# KiCad board pcb-panel.kicad_pcb (continued)
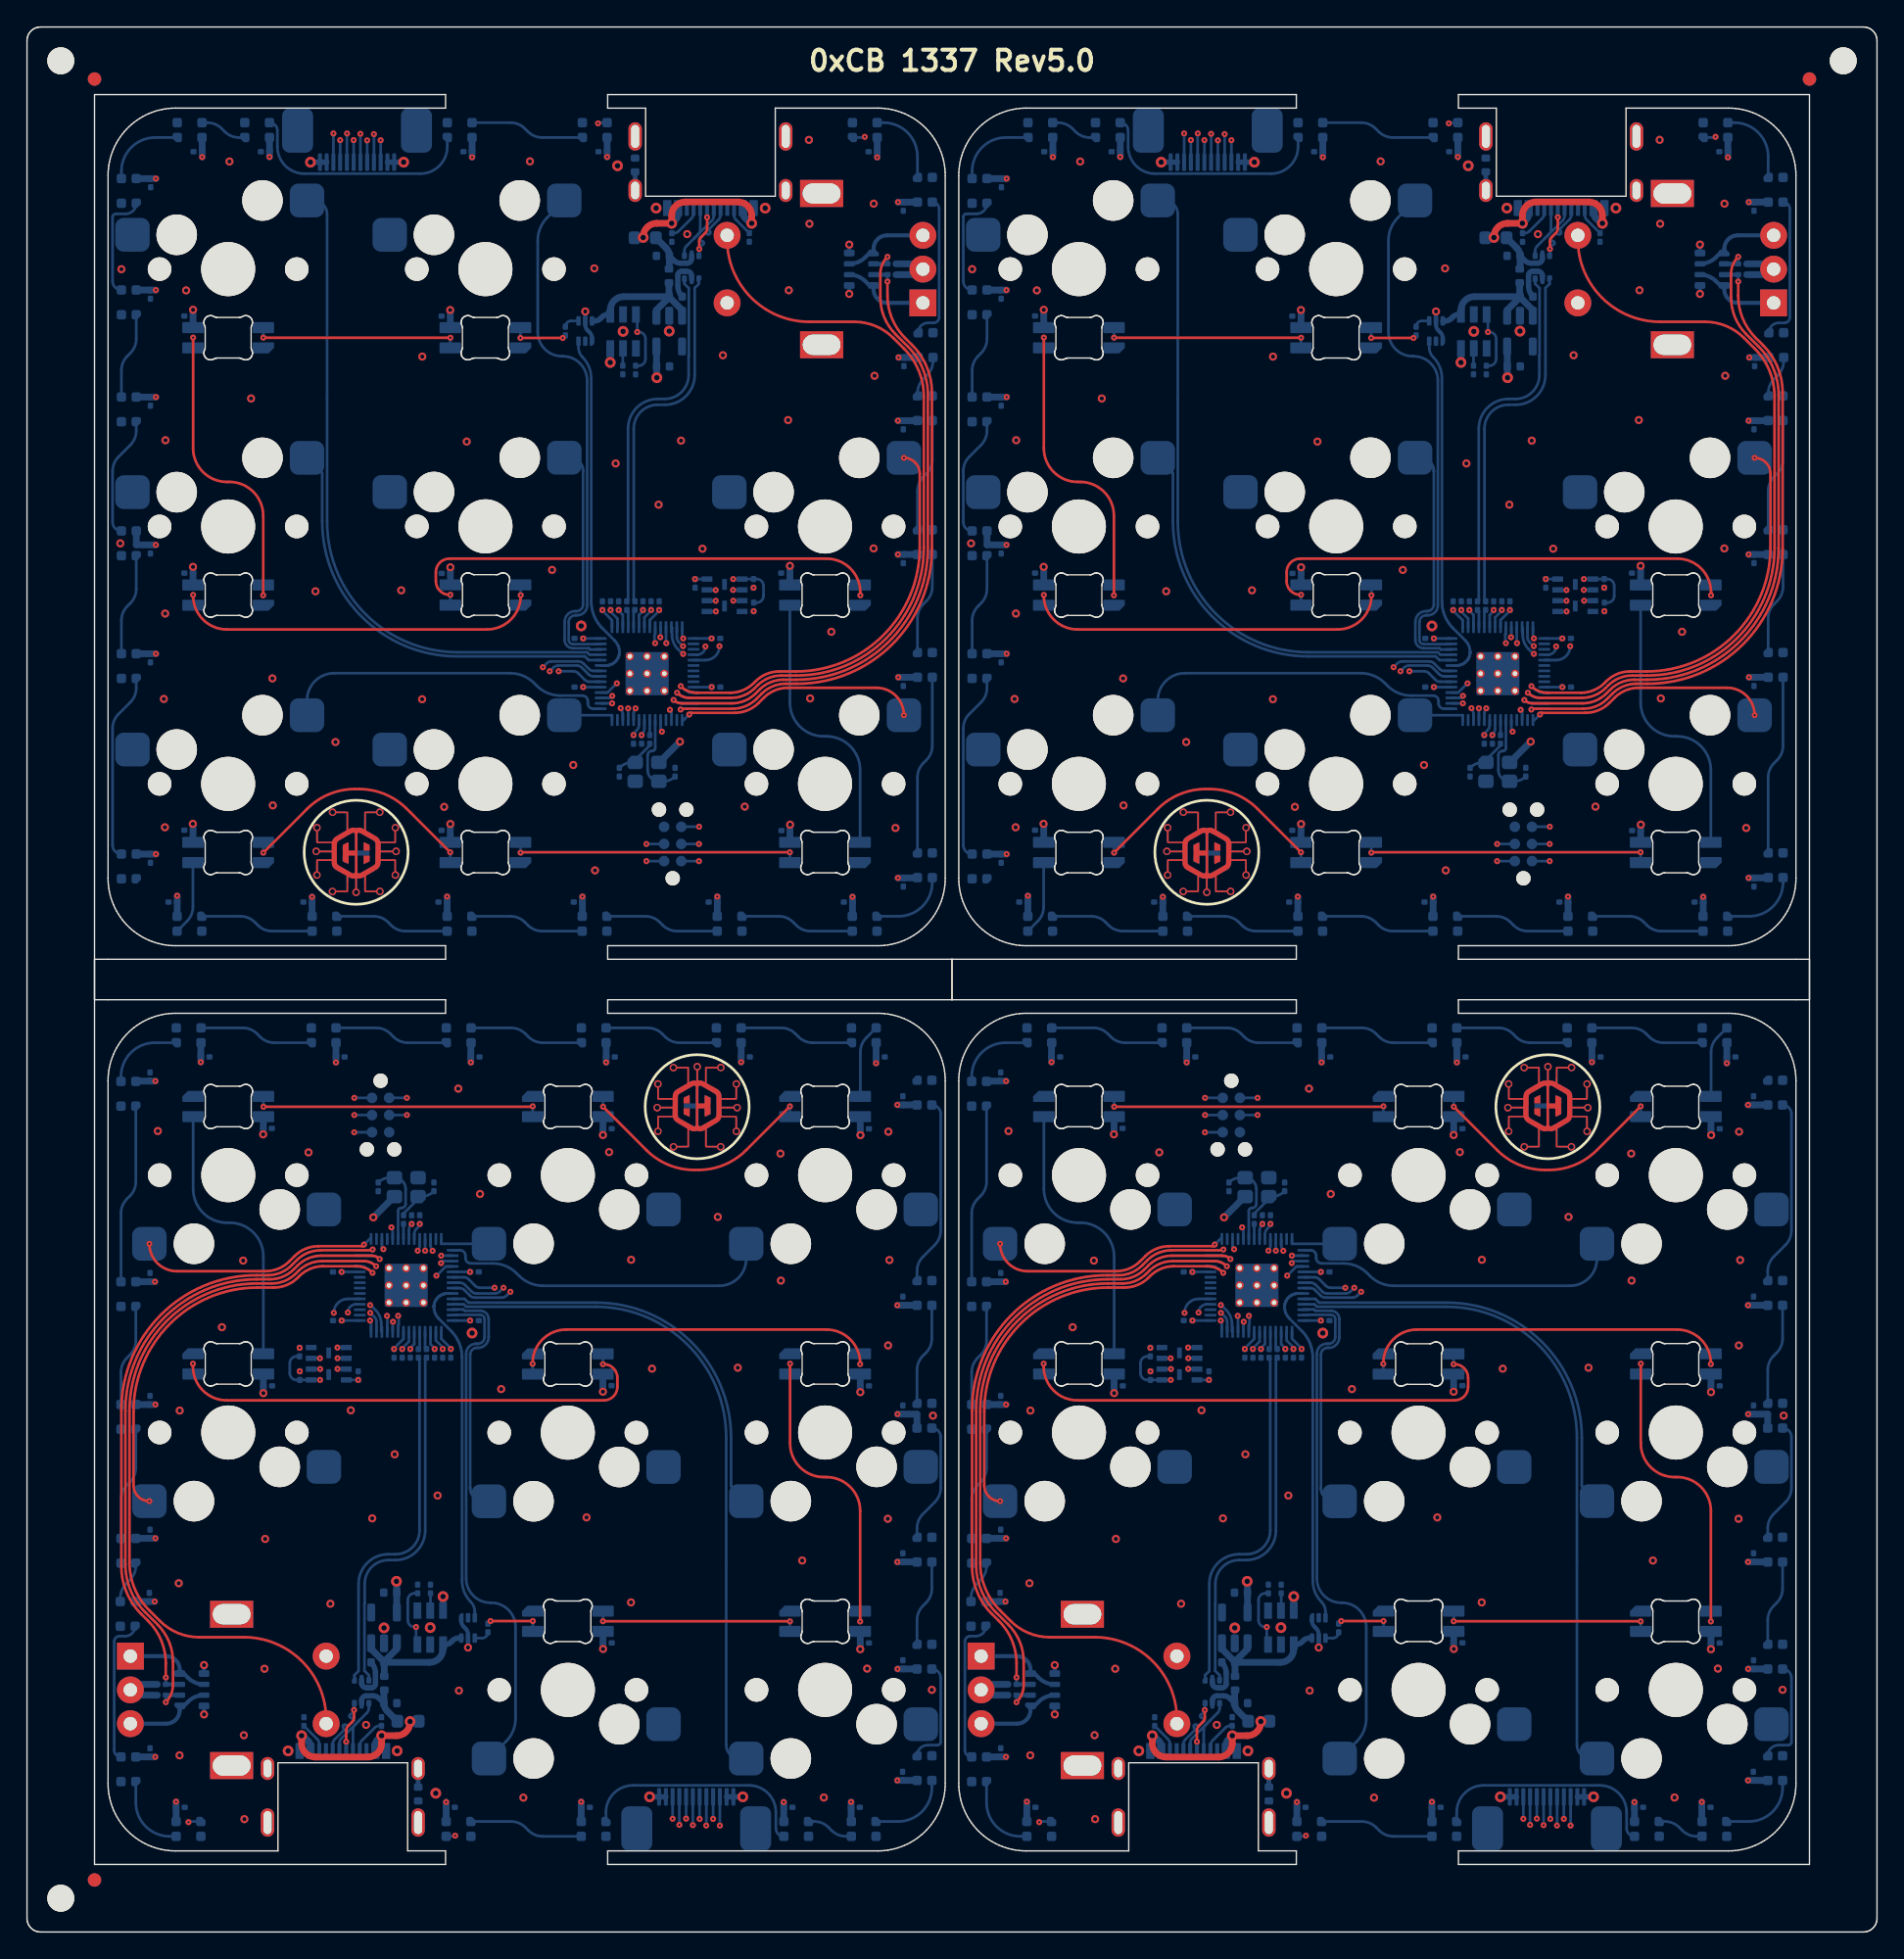
[diagram p0: board, top side]
## Routing (per net, layer and track width the routed paths; a pad name or vN(x,y) marks a point on that pad's centre or on a via; arc(x,y) is an arc through that point) (continued)
Board_3-/SPI0_CS: length 59.2
  In1.Cu w0.2: v1(93.32,48.58) 93.87,48.03 arc(94.19,47.82) 94.57,47.74 96.81,47.74 arc(97,47.78) 97.16,47.89 97.24,47.96 arc(97.4,48.07) 97.59,48.11 102.47,48.11 arc(109.14,45.34) 111.91,38.67 111.91,10.99 arc(112.09,10.09) 112.59,9.34 113,8.92 arc(113.22,8.6) 113.3,8.21 v1(113.3,7.88)
  Bottom w0.2: J2#4.5 113.31,7.89 v1(113.3,7.88) ; U6.32 94.01,49.26 93.33,48.58 v1(93.32,48.58)
Board_3-/SPI0_DC: length 63.2
  In1.Cu w0.2: v1(112.81,8.37) 112.81,7.85 arc(112.93,7.57) 113.21,7.45 114.36,7.45 arc(114.48,7.48) 114.58,7.54 114.62,7.59 arc(114.7,7.72) 114.73,7.87 114.73,7.91 arc(114.71,8.04) 114.63,8.15 112.5,10.29 arc(112.29,10.61) 112.21,10.99 112.21,38.7 arc(109.36,45.56) 102.5,48.41 97.47,48.41 arc(97.28,48.37) 97.12,48.26 97.04,48.19 arc(96.88,48.08) 96.69,48.04 94.94,48.04 arc(94.56,48.12) 94.24,48.33 93.34,49.23 arc(93.26,49.34) 93.23,49.48 93.23,49.55 arc(93.26,49.68) 93.33,49.78 93.61,50.06 v1(93.67,50.06)
  Bottom w0.2: J2#4.6 v1(112.81,8.37) ; v1(93.67,50.06) 93.67,50.06 U6.30
Board_3-/SPI0_RST: length 55.1
  In1.Cu w0.2: v1(111.31,7.93) 111.31,38.62 arc(108.71,44.91) 102.42,47.51 99.1,47.51 arc(98.94,47.48) v1(98.8,47.38)
  Bottom w0.2: v1(98.8,47.38) 98.52,47.1 arc(98.35,46.99) 98.16,46.96 96.15,46.96 arc(95.96,46.99) 95.8,47.1 95.39,47.51 arc(95.23,47.62) 95.04,47.66 U6.36 ; J2#4.9 v1(111.31,7.93)
Board_3-/SPI0_SCK: length 53.9
  In1.Cu w0.2: v1(97.63,47.68) 98.14,47.17 arc(98.38,47.01) 98.65,46.96 98.83,46.96 arc(98.96,46.99) 99.07,47.06 99.11,47.1 arc(99.24,47.18) 99.38,47.21 102.39,47.21 arc(108.49,44.69) 111.01,38.59 111.01,8.86 arc(110.96,8.6) v1(110.81,8.38)
  Bottom w0.2: v1(97.63,47.68) 96.54,47.68 arc(96.35,47.72) 96.18,47.83 95.7,48.31 arc(95.54,48.42) 95.35,48.46 U6.34 ; J2#4.10 v1(110.81,8.38)
Board_3-/SPI0_SDI: length 64
  In1.Cu w0.2: v1(111.81,8.39) 111.81,7.76 arc(111.99,7.33) 112.41,7.15 114.37,7.15 arc(114.59,7.2) 114.78,7.33 114.85,7.39 arc(114.99,7.6) 115.03,7.84 115.03,7.97 arc(114.99,8.16) 114.88,8.33 112.8,10.41 arc(112.59,10.74) 112.51,11.12 112.51,38.71 arc(109.58,45.78) 102.51,48.71 97.35,48.71 arc(97.15,48.67) 96.99,48.56 96.96,48.53 arc(96.79,48.42) 96.6,48.38 95.2,48.38 arc(94.82,48.46) 94.5,48.67 v1(93.66,49.51)
  Bottom w0.2: v1(111.81,8.39) J2#4.8 ; v1(93.66,49.51) 93.81,49.66 U6.31
Board_3-/SPI0_SDO: length 55.8
  In1.Cu w0.2: v1(112.31,7.91) 112.31,8.29 arc(112.27,8.47) 112.17,8.63 112.04,8.75 arc(111.72,9.24) 111.61,9.81 111.61,38.64 arc(108.92,45.12) 102.44,47.81 98.59,47.81 arc(98.43,47.78) v1(98.29,47.68)
  Bottom w0.2: v1(98.29,47.68) 98.01,47.41 arc(97.85,47.3) 97.66,47.26 96.27,47.26 arc(96.08,47.3) 95.92,47.41 95.41,47.91 arc(95.25,48.02) 95.06,48.06 U6.35 ; J2#4.7 v1(112.31,7.91)
Board_3-/SWD_CLK: length 15.6
  In1.Cu w0.2: v1(91.93,50.43) 91.93,50.44 arc(91.94,50.48) 91.96,50.51 92.35,50.89 arc(92.49,51.11) 92.54,51.36 92.54,55.56 arc(92.19,57.3) 91.21,58.77 91.12,58.86 arc(89.34,60.05) v1(87.24,60.47)
  Bottom w0.2: U6.24 92.08,50.78 arc(92.04,50.59) v1(91.93,50.43) ; v1(87.24,60.47) 88.55,60.47
Board_3-/SWD_IO: length 16.5
  In1.Cu w0.2: v1(92.48,50.43) 92.48,50.47 arc(92.75,50.86) 92.84,51.33 92.84,55.65 arc(92.42,57.76) 91.22,59.56 90.31,60.47 arc(88.9,61.41) v1(87.24,61.74)
  Bottom w0.2: v1(87.24,61.74) 88.55,61.74 ; v1(92.48,50.43) 92.48,50.43 U6.25
Board_3-/USB+: length 26.8
  Bottom w0.2: U1.1 87.24,19 87.55,19.32 87.55,25.76 arc(88.2,27.31) 89.75,27.96 90.3,27.96 arc(91.55,28.48) 92.07,29.73 92.07,42.42 R8#4.1
Board_3-/USB-: length 26.8
  Bottom w0.2: R9#4.1 92.49,42.41 92.49,29.73 arc(91.84,28.17) 90.29,27.53 89.77,27.53 arc(88.52,27.01) 88,25.76 88,24.32 87.99,24.3 87.99,19.33 88.32,19 U1.3
Board_3-GND: length 11.9
  Bottom w0.2: U6.19 90.08,52.06 v1(89.98,52.15)
  Bottom w0.4: v2(116.01,10) J2#4.1 J2#4.2 ; U1.2 87.78,18.43 arc(87.88,18.18) 88.13,18.08 88.52,18.08 arc(88.72,18.16) 88.8,18.36 88.8,19.17 arc(88.72,19.59) C11#2.2
  Bottom w0.5: v3(88.65,52.89) 90.18,54.43 Y1#4.2 ; C7.2 71.04,17.53 MX3.C 71.06,18.33 C8#2.2
  vias: v2(82.33,13.4) v2(89.44,22.51) v2(90.41,13.4) v2(92.86,22.53) v2(93.27,10.27) v2(95.96,44.33) v3(72.69,59.28) v3(74.24,25.81) v3(74.31,38.59) v3(74.3,13.07) v3(77.44,44.76) v3(79.01,49.69) v3(79.06,14.56) v3(79.1,8.35) v3(80.64,29.09) v3(80.59,19.48) v3(83.85,57.7) v3(85.47,24.29) v3(86.98,38.61) v3(88.11,15.33) v3(88.57,30.61) v3(90.23,35.35) v3(93.41,32.3) v3(94.94,62.42) v3(94.99,17.86) v3(96.55,54.62) v3(98.12,40.18) v3(99.76,9.94) v3(104.44,30.68) v3(106.11,57.72) v3(107.74,49.75) v3(107.73,24.39) v3(109.29,41.69) v3(114.16,52.92) v3(115.64,41.76) v3(118.8,57.61) v3(118.83,48.21) v3(120.41,27.49) v3(122.01,9.95) v3(125.22,19.49) v3(126.75,30.58) v3(126.79,59.23) v3(126.77,43.41) v3(126.87,49.73) v3(130.01,17.92) v3(130.09,38.22)
Board_3-Net-(C40-Pad2): length 3.1
  Bottom w0.2: R10#2.1 90.88,53.18 91.96,54.25 Y1#4.1 92.16,54.43 arc(92.69,54.53) C40#4.2
Board_3-Net-(D1-DIN): length 15.3
  Top w0.2: v1(119.5,22.99) 119.49,23 v1(105.65,23)
  Bottom w0.2: v1(105.65,23) 105.65,23 D2.2 ; v1(119.5,22.99) 119.5,22.25 D1#4.4
Board_3-Net-(D1-DOUT): length 23.7
  Top w0.2: v1(119.51,42.06) 119.51,36.17 arc(120.24,34.4) 122.01,33.67 122.2,33.67 arc(123.97,32.94) 124.7,31.17 v1(124.7,22.98)
  Bottom w0.2: v1(124.7,22.98) 124.7,22.99 D1#4.2 ; v1(119.51,42.06) 119.5,42.06 D3#4.4
Board_3-Net-(D3-DOUT): length 28.7
  Top w0.2: v1(100.44,42.05) 100.44,42.09 arc(101.17,43.86) 102.94,44.59 122.2,44.59 arc(123.97,43.86) 124.7,42.09 v1(124.7,42.03)
  Bottom w0.2: D3#4.2 124.7,42.04 v1(124.7,42.03) ; D4#4.4 100.44,41.3 v1(100.44,42.05)
Board_3-Net-(D4-DOUT): length 37.5
  Top w0.2: v1(105.65,42.02) 105.72,42.02 arc(106.43,41.73) 106.72,41.02 106.72,40.35 arc(106.43,39.64) 105.72,39.35 77.79,39.35 arc(76.02,40.08) 75.29,41.85 v1(75.29,42.06)
  Bottom w0.2: v1(75.29,42.06) 75.29,41.31 D5#2.4 ; D4#4.2 v1(105.65,42.02)
Board_3-Net-(D5-DOUT): length 20.6
  Bottom w0.2: D5#2.2 80.5,50 arc(79.77,51.77) 78,52.5 77.8,52.5 arc(76.04,53.23) 75.3,55 D8#3.4
Board_3-Net-(D6-DIN): length 18.8
  Top w0.2: v1(119.5,61.11) 116.25,57.87 arc(114.63,56.78) 112.72,56.4 112.41,56.4 arc(110.5,56.78) 108.87,57.87 v1(105.66,61.08)
  Bottom w0.2: D6#4.4 119.5,60.35 v1(119.5,61.11) ; v1(105.66,61.08) 105.65,61.09 D7.2
Board_3-Net-(D7-DIN): length 21.5
  Top w0.2: v1(100.45,61.11) 100.42,61.08 v1(80.51,61.08)
  Bottom w0.2: D8#3.2 80.5,61.09 v1(80.51,61.08) ; D7.4 100.45,60.35 v1(100.45,61.11)
Board_3-Net-(D10-DIN): length 35.3
  In2.Cu w0.2: v1(94.71,7.13) 94.71,10.58 arc(92.66,15.53) 87.71,17.58 81.99,17.58 arc(77.04,15.53) 74.99,10.58 74.99,8.13 v1(74.96,8.13)
  Bottom w0.2: D10#4.3 94.66,7.08 v1(94.71,7.13) ; v1(74.96,8.13) 75.01,8.18 D9#4.1
Board_3-Net-(D10-DOUT): length 8.5
  Bottom w0.2: D10#4.1 98.85,8.18 arc(99.42,8.07) 99.91,7.74 100.13,7.52 arc(100.62,7.19) 101.19,7.08 D11#4.3
Board_3-Net-(D11-DOUT): length 17.7
  Bottom w0.2: D11#4.1 105.87,8.85 arc(106.46,10.27) 107.87,10.85 116.46,10.85 arc(117.87,10.27) 118.46,8.85 118.46,7.66 arc(118.63,7.25) D12#2.3
Board_3-Net-(D12-DOUT): length 3.5
  Bottom w0.2: D12#2.1 121.3,8.18 arc(121.87,8.07) 122.36,7.74 122.58,7.52 arc(123.07,7.19) 123.64,7.08 D13#4.3
Board_3-Net-(D13-DOUT): length 6.1
  Bottom w0.2: D15.3 130.01,10.68 arc(129.28,8.91) 127.51,8.18 D13#4.1
Board_3-Net-(D14-DIN): length 11
  Bottom w0.2: D14.3 69.95,12.96 arc(69.6,13.11) 69.45,13.46 69.45,21.49 arc(69.57,21.78) 69.86,21.9 70.28,21.9 arc(70.8,22.11) D16#2.1
Board_3-Net-(D14-DOUT): length 6
  Bottom w0.2: D9#4.3 73.56,7.08 arc(71.79,7.81) 71.06,9.58 D14.1
Board_3-Net-(D15-DOUT): length 8.1
  Bottom w0.2: D15.1 arc(129.14,13.6) 129.69,13.83 130.44,13.83 arc(130.6,13.89) 130.66,14.05 130.66,18.81 arc(130.47,19.27) D17#3.3
Board_3-Net-(D16-DIN): length 3.2
  Bottom w0.2: D18.1 71.06,27.11 arc(70.95,26.54) 70.62,26.05 70.35,25.78 arc(70.02,25.29) 69.91,24.72 D16#2.3
Board_3-Net-(D17-DOUT): length 6.4
  Bottom w0.2: D17#3.1 128.91,23.08 arc(129.02,23.65) 129.35,24.14 129.57,24.36 arc(129.9,24.85) 130.01,25.42 D19#3.3
Board_3-Net-(D18-DIN): length 8.4
  Bottom w0.2: D18.3 69.96,32.01 arc(70.07,32.58) 70.4,33.07 70.62,33.29 arc(70.95,33.78) 71.06,34.35 D20#4.1
Board_3-Net-(D19-DOUT): length 9.1
  Bottom w0.2: D19#3.1 128.91,29.88 arc(129.02,30.45) 129.35,30.94 130.22,31.81 arc(130.55,32.3) 130.66,32.88 130.66,36.64 arc(130.47,37.11) D21#4.3
Board_3-Net-(D20-DIN): length 7.6
  Bottom w0.2: D20#4.3 69.96,41.43 arc(70.07,42) 70.4,42.49 70.62,42.71 arc(70.95,43.2) 71.06,43.77 D22#3.1
Board_3-Net-(D21-DOUT): length 7.6
  Bottom w0.2: D21#4.1 128.91,41.59 arc(129.02,42.16) 129.35,42.65 129.57,42.87 arc(129.9,43.36) 130.01,43.93 D23#4.3
Board_3-Net-(D22-DIN): length 13.3
  Bottom w0.2: D22#3.3 69.96,53.2 arc(70.07,53.77) 70.4,54.26 70.62,54.48 arc(70.95,54.97) 71.06,55.54 D24#4.1
Board_3-Net-(D23-DOUT): length 14
  Bottom w0.2: D23#4.1 128.91,48.92 arc(129.02,49.49) 129.35,49.98 130.22,50.85 arc(130.55,51.34) 130.66,51.92 130.66,60.56 arc(130.47,61.02) D25#2.3
Board_3-Net-(D24-DIN): length 5.9
  Bottom w0.2: D26#2.1 72.46,65.82 arc(70.69,65.09) 69.96,63.32 D24#4.3
Board_3-Net-(D26-DIN): length 8.5
  Bottom w0.2: D26#2.3 78.98,66.92 arc(79.55,66.81) 80.04,66.48 80.26,66.26 arc(80.75,65.93) 81.32,65.82 D27#2.1
Board_3-Net-(D27-DIN): length 8.5
  Bottom w0.2: D28#2.1 91.2,65.82 arc(90.63,65.93) 90.14,66.26 89.92,66.48 arc(89.43,66.81) 88.86,66.92 D27#2.3
Board_3-Net-(D28-DIN): length 8.5
  Bottom w0.2: D29#4.1 101.19,65.82 arc(100.62,65.93) 100.13,66.26 99.91,66.48 arc(99.42,66.81) 98.85,66.92 D28#2.3
Board_3-Net-(D29-DIN): length 8.5
  Bottom w0.2: D29#4.3 108.98,66.92 arc(109.55,66.81) 110.04,66.48 110.26,66.26 arc(110.75,65.93) 111.32,65.82 D30#4.1
Board_3-Net-(D30-DIN): length 8.5
  Bottom w0.2: D31#3.1 121.19,65.82 arc(120.62,65.93) 120.13,66.26 119.91,66.48 arc(119.42,66.81) 118.85,66.92 D30#4.3
Board_3-Net-(D31-DIN): length 5.5
  Bottom w0.2: D6#4.2 124.71,61.86 124.71,65.13 arc(124.83,65.7) 125.15,66.19 D31#3.3
Board_3-Net-(F1-Pad1): length 14.3
  Top w0.5: v2(83.33,14.53) 83.33,13.95 arc(83.63,13.24) 84.33,12.95 88.26,12.95 arc(88.97,13.24) 89.26,13.95 v2(89.26,14.53) 90.37,14.53 arc(91.08,14.82) 91.37,15.53 v2(91.37,15.58)
  Bottom w0.5: v2(91.37,15.58) 91.99,15.58 F1#3.1 ; v2(83.33,14.53) 83.43,14.53 83.84,14.12 arc(83.95,13.96) 83.99,13.77 J1#3.A9 ; J1#3.A4 88.79,13.85 arc(88.83,14.04) 88.94,14.21 v2(89.26,14.53)
Board_3-Net-(J1-CC1): length 2.7
  Bottom w0.2: J1#3.A5 87.64,13.8 arc(87.68,13.99) 87.79,14.15 88.74,15.11 arc(88.91,15.22) 89.1,15.26 R2#4.2
Board_3-Net-(J1-CC2): length 2.3
  Bottom w0.2: J1#3.B5 84.64,13.92 arc(84.6,14.11) 84.49,14.27 R1#4.2
Board_3-Net-(J1-SHIELD): length 1.4
  Bottom w0.35: J1#3.S1 91.96,10.72 FB1#3.1
Board_3-Net-(RN1A-R1.1): length 6.6
  Bottom w0.3: MX3.B 73.31,15.42 arc(74.02,15.71) 74.31,16.42 RN1.1 74.61,16.73 74.91,17.03 arc(75.46,17.4) RN1.7
Board_3-Net-(RN1C-R3.2): length 6.6
  Bottom w0.3: MX3.A 73.31,20.42 arc(74.02,20.13) 74.31,19.42 RN1.4 74.61,19.13 74.91,18.82 arc(75.46,18.46) RN1.6
Board_3-Net-(U1-VBUS): length 5
  Bottom w0.4: C10#4.1 89.09,17.28 arc(88.87,17.43) 88.61,17.48 88.13,17.48 arc(87.88,17.38) 87.78,17.13 U1.5
  Bottom w0.5: FB2#4.1 89.43,17.88 C10#4.1 arc(89.49,16.63) 89.67,16.36 F1#3.2
Board_3-Net-(U3-ILIM): length 1.3
  Bottom w0.2: U3#2.5 92.88,23.8 R5#4.1
Board_3-Net-(U4-B): length 1.2
  Bottom w0.2: U4#4.4 96.7,21.75 arc(97.01,21.88) R3#3.1
Board_3-Net-(U6-XTAL_IN): length 6.6
  Bottom w0.2: U6.20 90.48,53.38 arc(90.54,53.53) 90.69,53.59 90.73,53.59 arc(90.95,53.68) 91.04,53.89 91.04,55 arc(90.8,55.59) Y1#4.3 89.87,55.83 arc(89.4,55.74) C37.2
Board_3-Net-(U6-XTAL_OUT): length 1.1
  Bottom w0.2: U6.21 90.88,52.4 R10#2.2

## Copper pours and planes (outline as drawn; the poured copper is in the pictures)
(no net) on Top: 0.44,140.83 0.37,140.77 0.29,140.71 0.23,140.63 0.17,140.56 0.12,140.47 0.08,140.38 0.04,140.29 0.02,140.2 0,140.1 0,140 0,1 0,0.9 0.02,0.8 0.04,0.71 0.08,0.62 0.12,0.53 0.17,0.44 0.23,0.37 0.29,0.29 0.37,0.23 0.44,0.17 0.53,0.12 0.62,0.08 0.71,0.04 0.8,0.02 0.9,0 1,0 136,0 136.1,0 136.2,0.02 136.29,0.04 136.38,0.08 136.47,0.12 136.56,0.17 136.63,0.23 136.71,0.29 136.77,0.37 136.83,0.44 136.88,0.53 136.92,0.62 136.96,0.71 136.98,0.8 137,0.9 137,1 137,140 137,140.1 136.98,140.2 136.96,140.29 136.92,140.38 136.88,140.47 136.83,140.56 136.77,140.63 136.71,140.71 136.63,140.77 136.56,140.83 136.47,140.88 136.38,140.92 136.29,140.96 136.2,140.98 136.1,141 136,141 1,141 0.9,141 0.8,140.98 0.71,140.96 0.62,140.92 0.53,140.88 ; 2 cut-outs
(no net) on Bottom: 0.44,140.83 0.37,140.77 0.29,140.71 0.23,140.63 0.17,140.56 0.12,140.47 0.08,140.38 0.04,140.29 0.02,140.2 0,140.1 0,140 0,1 0,0.9 0.02,0.8 0.04,0.71 0.08,0.62 0.12,0.53 0.17,0.44 0.23,0.37 0.29,0.29 0.37,0.23 0.44,0.17 0.53,0.12 0.62,0.08 0.71,0.04 0.8,0.02 0.9,0 1,0 136,0 136.1,0 136.2,0.02 136.29,0.04 136.38,0.08 136.47,0.12 136.56,0.17 136.63,0.23 136.71,0.29 136.77,0.37 136.83,0.44 136.88,0.53 136.92,0.62 136.96,0.71 136.98,0.8 137,0.9 137,1 137,140 137,140.1 136.98,140.2 136.96,140.29 136.92,140.38 136.88,140.47 136.83,140.56 136.77,140.63 136.71,140.71 136.63,140.77 136.56,140.83 136.47,140.88 136.38,140.92 136.29,140.96 136.2,140.98 136.1,141 136,141 1,141 0.9,141 0.8,140.98 0.71,140.96 0.62,140.92 0.53,140.88 ; 2 cut-outs
Board_0-+1V1 on In2.Cu: 40.34,98.72 51.52,98.72 51.59,87.71 40.41,87.71
Board_0-+3V3 on In1.Cu: -4.82,145.12 81.54,145.12 81.54,63.84 -4.82,63.84
Board_0-/RGB_PWR on In2.Cu: -3.32,142.94 83.04,142.94 83.04,61.66 -3.32,61.66
Board_0-/S1 on Bottom: 22.32,126.65 22.31,126.86 22.29,127.04 22.25,127.19 22.2,127.32 22.15,127.44 22.11,127.56 22.06,127.68 22.02,127.81 22,127.97 21.99,128.16 20.16,128.4 20.8,126.91 20.99,126.93 21.17,126.96 21.35,127 21.53,127.03 21.69,127.05 21.83,127.04 21.95,127.01 22.04,126.94 22.1,126.82 22.12,126.65
Board_0-/S2 on Bottom: 38,125.81 38.12,126.12 38.26,126.36 38.43,126.52 38.62,126.63 38.83,126.71 39.07,126.76 39.6,126.83 39.89,126.89 40.2,126.98 40.23,128.6 38.58,128.49 38.49,128.17 38.41,127.89 38.34,127.66 38.28,127.44 38.15,127.02 38.08,126.79 38,126.53 37.91,126.22 37.81,125.86
Board_0-/S3 on Top: 52.18,123.63 52.13,123.85 52.12,124.03 52.15,124.19 52.2,124.33 52.28,124.46 52.37,124.58 52.47,124.71 52.58,124.85 52.68,125.01 52.77,125.2 51.82,126.08 50.97,125.09 51.09,124.9 51.21,124.75 51.32,124.62 51.43,124.5 51.53,124.4 51.63,124.28 51.73,124.15 51.82,124 51.91,123.81 51.99,123.57
Board_0-/S4 on Bottom: 21.96,107.08 21.96,107.36 21.96,107.59 21.97,107.79 21.97,107.97 21.98,108.46 21.99,108.65 21.99,108.86 21.99,109.11 20.3,109.55 20.33,107.93 20.54,107.87 20.75,107.83 20.95,107.8 21.14,107.76 21.31,107.72 21.46,107.67 21.58,107.58 21.68,107.46 21.74,107.3 21.76,107.08
Board_0-/S5 on Bottom: 41.28,106.91 41.27,107.21 41.26,107.47 41.23,107.69 41.2,107.88 41.16,108.06 41.13,108.23 41.09,108.42 41.07,108.62 41.05,108.85 41.04,109.12 39.39,109.6 39.29,107.98 39.55,107.88 39.8,107.82 40.05,107.78 40.29,107.74 40.5,107.69 40.7,107.63 40.85,107.53 40.98,107.38 41.05,107.18 41.08,106.91
Board_0-/S7 on Bottom: 21.13,92.52 20.94,92.3 20.79,92.11 20.65,91.94 20.54,91.8 20.32,91.53 20.21,91.39 20.09,91.24 19.95,91.07 19.78,90.87 20.72,89.44 21.88,90.56 21.77,90.79 21.63,90.99 21.48,91.17 21.34,91.34 21.22,91.5 21.13,91.66 21.08,91.82 21.08,92 21.14,92.19 21.29,92.39
Board_0-/S8 on Bottom: 42.28,90.16 41.98,90.18 41.74,90.23 41.54,90.3 41.37,90.4 41.22,90.51 41.08,90.64 40.93,90.78 40.77,90.92 40.57,91.05 40.33,91.19 39.16,90.06 40.33,88.94 40.57,89.07 40.77,89.21 40.93,89.35 41.08,89.48 41.22,89.61 41.37,89.72 41.54,89.82 41.74,89.9 41.98,89.94 42.28,89.96
Board_0-GND on Top, Bottom: -6.32,146.85 80.04,146.85 80.04,65.57 -6.32,65.57
Board_0-Net-(C40-Pad2) on Bottom: 44.13,86.26 44.22,86.31 44.3,86.33 44.37,86.34 44.44,86.32 44.51,86.3 44.57,86.26 44.71,86.18 44.79,86.14 44.87,86.1 45.29,86.6 44.76,86.99 44.67,86.92 44.59,86.87 44.53,86.81 44.35,86.67 44.29,86.62 44.22,86.56 44.13,86.5 44.02,86.42
Board_0-Net-(C40-Pad2) on Bottom: 45.59,87.43 45.49,87.35 45.41,87.28 45.33,87.23 45.25,87.2 45.18,87.17 45.03,87.12 44.95,87.09 44.86,87.05 44.77,86.99 44.91,86.36 45.54,86.53 45.54,86.62 45.54,86.71 45.54,86.86 45.54,86.93 45.55,87 45.57,87.07 45.6,87.14 45.65,87.21 45.73,87.29
Board_0-Net-(J1-SHIELD) on Bottom: 44.86,129.89 44.86,129.78 44.85,129.68 44.83,129.6 44.81,129.53 44.78,129.47 44.75,129.41 44.67,129.28 44.63,129.21 44.59,129.12 45.04,128.65 45.49,129.12 45.44,129.21 45.4,129.28 45.32,129.41 45.29,129.47 45.26,129.53 45.24,129.6 45.22,129.68 45.21,129.78 45.21,129.89
Board_0-Net-(RN1A-R1.1) on Bottom: 64.36,125.43 64.59,125.42 64.78,125.39 64.94,125.33 65.08,125.26 65.2,125.18 65.32,125.09 65.44,124.99 65.57,124.89 65.72,124.78 65.91,124.68 66.85,125.58 65.91,126.48 65.72,126.38 65.57,126.28 65.44,126.17 65.32,126.07 65.2,125.98 65.08,125.9 64.94,125.83 64.78,125.78 64.59,125.74 64.36,125.73
Board_0-Net-(RN1C-R3.2) on Bottom: 64.36,120.43 64.59,120.42 64.78,120.39 64.94,120.33 65.08,120.26 65.2,120.18 65.32,120.09 65.44,119.99 65.57,119.89 65.72,119.78 65.91,119.68 66.85,120.58 65.91,121.48 65.72,121.38 65.57,121.28 65.44,121.17 65.32,121.07 65.2,120.98 65.08,120.9 64.94,120.83 64.78,120.78 64.59,120.74 64.36,120.73
Board_0-Net-(U6-XTAL_IN) on Bottom: 47.71,85.43 47.62,85.39 47.54,85.37 47.47,85.37 47.4,85.38 47.34,85.41 47.28,85.45 47.14,85.55 47.07,85.59 46.98,85.63 46.54,85.15 47.05,84.74 47.14,84.8 47.22,84.85 47.29,84.9 47.54,85.08 47.62,85.14 47.71,85.19 47.81,85.26
Board_1-+1V1 on In2.Cu: 103.34,98.72 114.52,98.72 114.59,87.71 103.41,87.71
Board_1-+3V3 on In1.Cu: 58.18,145.12 144.54,145.12 144.54,63.84 58.18,63.84
Board_1-/RGB_PWR on In2.Cu: 59.68,142.94 146.04,142.94 146.04,61.66 59.68,61.66
Board_1-/S1 on Bottom: 85.32,126.65 85.31,126.86 85.29,127.04 85.25,127.19 85.2,127.32 85.15,127.44 85.11,127.56 85.06,127.68 85.02,127.81 85,127.97 84.99,128.16 83.16,128.4 83.8,126.91 83.99,126.93 84.17,126.96 84.35,127 84.53,127.03 84.69,127.05 84.83,127.04 84.95,127.01 85.04,126.94 85.1,126.82 85.12,126.65
Board_1-/S2 on Bottom: 101,125.81 101.12,126.12 101.26,126.36 101.43,126.52 101.62,126.63 101.83,126.71 102.07,126.76 102.6,126.83 102.89,126.89 103.2,126.98 103.23,128.6 101.58,128.49 101.49,128.17 101.41,127.89 101.34,127.66 101.28,127.44 101.15,127.02 101.08,126.79 101,126.53 100.91,126.22 100.81,125.86
Board_1-/S3 on Top: 115.18,123.63 115.13,123.85 115.12,124.03 115.15,124.19 115.2,124.33 115.28,124.46 115.37,124.58 115.47,124.71 115.58,124.85 115.68,125.01 115.77,125.2 114.82,126.08 113.97,125.09 114.09,124.9 114.21,124.75 114.32,124.62 114.43,124.5 114.53,124.4 114.63,124.28 114.73,124.15 114.82,124 114.91,123.81 114.99,123.57
Board_1-/S4 on Bottom: 84.96,107.08 84.96,107.36 84.96,107.59 84.97,107.79 84.97,107.97 84.98,108.46 84.99,108.65 84.99,108.86 84.99,109.11 83.3,109.55 83.33,107.93 83.54,107.87 83.75,107.83 83.95,107.8 84.14,107.76 84.31,107.72 84.46,107.67 84.58,107.58 84.68,107.46 84.74,107.3 84.76,107.08
Board_1-/S5 on Bottom: 104.28,106.91 104.27,107.21 104.26,107.47 104.23,107.69 104.2,107.88 104.16,108.06 104.13,108.23 104.09,108.42 104.07,108.62 104.05,108.85 104.04,109.12 102.39,109.6 102.29,107.98 102.55,107.88 102.8,107.82 103.05,107.78 103.29,107.74 103.5,107.69 103.7,107.63 103.85,107.53 103.98,107.38 104.05,107.18 104.08,106.91
Board_1-/S7 on Bottom: 84.13,92.52 83.94,92.3 83.79,92.11 83.65,91.94 83.54,91.8 83.32,91.53 83.21,91.39 83.09,91.24 82.95,91.07 82.78,90.87 83.72,89.44 84.88,90.56 84.77,90.79 84.63,90.99 84.48,91.17 84.34,91.34 84.22,91.5 84.13,91.66 84.08,91.82 84.08,92 84.14,92.19 84.29,92.39
Board_1-/S8 on Bottom: 105.28,90.16 104.98,90.18 104.74,90.23 104.54,90.3 104.37,90.4 104.22,90.51 104.08,90.64 103.93,90.78 103.77,90.92 103.57,91.05 103.33,91.19 102.16,90.06 103.33,88.94 103.57,89.07 103.77,89.21 103.93,89.35 104.08,89.48 104.22,89.61 104.37,89.72 104.54,89.82 104.74,89.9 104.98,89.94 105.28,89.96
Board_1-GND on Top, Bottom: 56.68,146.85 143.04,146.85 143.04,65.57 56.68,65.57
Board_1-Net-(C40-Pad2) on Bottom: 107.13,86.26 107.22,86.31 107.3,86.33 107.37,86.34 107.44,86.32 107.51,86.3 107.57,86.26 107.71,86.18 107.79,86.14 107.87,86.1 108.29,86.6 107.76,86.99 107.67,86.92 107.59,86.87 107.53,86.81 107.35,86.67 107.29,86.62 107.22,86.56 107.13,86.5 107.02,86.42
Board_1-Net-(C40-Pad2) on Bottom: 108.59,87.43 108.49,87.35 108.41,87.28 108.33,87.23 108.25,87.2 108.18,87.17 108.03,87.12 107.95,87.09 107.86,87.05 107.77,86.99 107.91,86.36 108.54,86.53 108.54,86.62 108.54,86.71 108.54,86.86 108.54,86.93 108.55,87 108.57,87.07 108.6,87.14 108.65,87.21 108.73,87.29
Board_1-Net-(J1-SHIELD) on Bottom: 107.86,129.89 107.86,129.78 107.85,129.68 107.83,129.6 107.81,129.53 107.78,129.47 107.75,129.41 107.67,129.28 107.63,129.21 107.59,129.12 108.04,128.65 108.49,129.12 108.44,129.21 108.4,129.28 108.32,129.41 108.29,129.47 108.26,129.53 108.24,129.6 108.22,129.68 108.21,129.78 108.21,129.89
Board_1-Net-(RN1A-R1.1) on Bottom: 127.36,125.43 127.59,125.42 127.78,125.39 127.94,125.33 128.08,125.26 128.2,125.18 128.32,125.09 128.44,124.99 128.57,124.89 128.72,124.78 128.91,124.68 129.85,125.58 128.91,126.48 128.72,126.38 128.57,126.28 128.44,126.17 128.32,126.07 128.2,125.98 128.08,125.9 127.94,125.83 127.78,125.78 127.59,125.74 127.36,125.73
Board_1-Net-(RN1C-R3.2) on Bottom: 127.36,120.43 127.59,120.42 127.78,120.39 127.94,120.33 128.08,120.26 128.2,120.18 128.32,120.09 128.44,119.99 128.57,119.89 128.72,119.78 128.91,119.68 129.85,120.58 128.91,121.48 128.72,121.38 128.57,121.28 128.44,121.17 128.32,121.07 128.2,120.98 128.08,120.9 127.94,120.83 127.78,120.78 127.59,120.74 127.36,120.73
Board_1-Net-(U6-XTAL_IN) on Bottom: 110.71,85.43 110.62,85.39 110.54,85.37 110.47,85.37 110.4,85.38 110.34,85.41 110.28,85.45 110.14,85.55 110.07,85.59 109.98,85.63 109.54,85.15 110.05,84.74 110.14,84.8 110.22,84.85 110.29,84.9 110.54,85.08 110.62,85.14 110.71,85.19 110.81,85.26
Board_2-+1V1 on In2.Cu: 33.66,42.28 22.48,42.28 22.41,53.29 33.59,53.29
Board_2-+3V3 on In1.Cu: 78.82,-4.12 -7.54,-4.12 -7.54,77.16 78.82,77.16
Board_2-/RGB_PWR on In2.Cu: 77.32,-1.94 -9.04,-1.94 -9.04,79.34 77.32,79.34
Board_2-/S1 on Bottom: 51.68,14.35 51.69,14.14 51.71,13.96 51.75,13.81 51.8,13.68 51.85,13.56 51.89,13.44 51.94,13.32 51.98,13.19 52,13.03 52.01,12.84 53.84,12.6 53.2,14.09 53.01,14.07 52.83,14.04 52.65,14 52.47,13.97 52.31,13.95 52.17,13.96 52.05,13.99 51.96,14.06 51.9,14.18 51.88,14.35
Board_2-/S2 on Bottom: 36,15.19 35.88,14.88 35.74,14.64 35.57,14.48 35.38,14.37 35.17,14.29 34.93,14.24 34.4,14.17 34.11,14.11 33.8,14.02 33.77,12.4 35.42,12.51 35.51,12.83 35.59,13.11 35.66,13.34 35.72,13.56 35.85,13.98 35.92,14.21 36,14.47 36.09,14.78 36.19,15.14
Board_2-/S3 on Top: 21.82,17.37 21.87,17.15 21.88,16.97 21.85,16.81 21.8,16.67 21.72,16.54 21.63,16.42 21.53,16.29 21.42,16.15 21.32,15.99 21.23,15.8 22.18,14.92 23.03,15.91 22.91,16.1 22.79,16.25 22.68,16.38 22.57,16.5 22.47,16.6 22.37,16.72 22.27,16.85 22.18,17 22.09,17.19 22.01,17.43
Board_2-/S4 on Bottom: 52.04,33.92 52.04,33.64 52.04,33.41 52.03,33.21 52.03,33.03 52.02,32.54 52.01,32.35 52.01,32.14 52.01,31.89 53.7,31.45 53.67,33.07 53.46,33.13 53.25,33.17 53.05,33.2 52.86,33.24 52.69,33.28 52.54,33.33 52.42,33.42 52.32,33.54 52.26,33.7 52.24,33.92
Board_2-/S5 on Bottom: 32.72,34.09 32.73,33.79 32.74,33.53 32.77,33.31 32.8,33.12 32.84,32.94 32.87,32.77 32.91,32.58 32.93,32.38 32.95,32.15 32.96,31.88 34.61,31.4 34.71,33.02 34.45,33.12 34.2,33.18 33.95,33.22 33.71,33.26 33.5,33.31 33.3,33.37 33.15,33.47 33.02,33.62 32.95,33.82 32.92,34.09
Board_2-/S7 on Bottom: 52.87,48.48 53.06,48.7 53.21,48.89 53.35,49.06 53.46,49.2 53.68,49.47 53.79,49.61 53.91,49.76 54.05,49.93 54.22,50.13 53.28,51.56 52.12,50.44 52.23,50.21 52.37,50.01 52.52,49.83 52.66,49.66 52.78,49.5 52.87,49.34 52.92,49.18 52.92,49 52.86,48.81 52.71,48.61
Board_2-/S8 on Bottom: 31.72,50.84 32.02,50.82 32.26,50.77 32.46,50.7 32.63,50.6 32.78,50.49 32.92,50.36 33.07,50.22 33.23,50.08 33.43,49.95 33.67,49.81 34.84,50.94 33.67,52.06 33.43,51.93 33.23,51.79 33.07,51.65 32.92,51.52 32.78,51.39 32.63,51.28 32.46,51.18 32.26,51.1 32.02,51.06 31.72,51.04
Board_2-GND on Top, Bottom: 80.32,-5.85 -6.04,-5.85 -6.04,75.43 80.32,75.43
Board_2-Net-(C40-Pad2) on Bottom: 29.87,54.74 29.78,54.69 29.7,54.67 29.63,54.66 29.56,54.68 29.49,54.7 29.43,54.74 29.29,54.82 29.21,54.86 29.13,54.9 28.71,54.4 29.24,54.01 29.33,54.08 29.41,54.13 29.47,54.19 29.65,54.33 29.71,54.38 29.78,54.44 29.87,54.5 29.98,54.58
Board_2-Net-(C40-Pad2) on Bottom: 28.41,53.57 28.51,53.65 28.59,53.72 28.67,53.77 28.75,53.8 28.82,53.83 28.97,53.88 29.05,53.91 29.14,53.95 29.23,54.01 29.09,54.64 28.46,54.47 28.46,54.38 28.46,54.29 28.46,54.14 28.46,54.07 28.45,54 28.43,53.93 28.4,53.86 28.35,53.79 28.27,53.71
Board_2-Net-(J1-SHIELD) on Bottom: 29.14,11.11 29.14,11.22 29.15,11.32 29.17,11.4 29.19,11.47 29.22,11.53 29.25,11.59 29.33,11.72 29.37,11.79 29.41,11.88 28.96,12.35 28.51,11.88 28.56,11.79 28.6,11.72 28.68,11.59 28.71,11.53 28.74,11.47 28.76,11.4 28.78,11.32 28.79,11.22 28.79,11.11
Board_2-Net-(RN1A-R1.1) on Bottom: 9.64,15.57 9.41,15.58 9.22,15.61 9.06,15.67 8.92,15.74 8.8,15.82 8.68,15.91 8.56,16.01 8.43,16.11 8.28,16.22 8.09,16.32 7.15,15.42 8.09,14.52 8.28,14.62 8.43,14.72 8.56,14.83 8.68,14.93 8.8,15.02 8.92,15.1 9.06,15.17 9.22,15.22 9.41,15.26 9.64,15.27
Board_2-Net-(RN1C-R3.2) on Bottom: 9.64,20.57 9.41,20.58 9.22,20.61 9.06,20.67 8.92,20.74 8.8,20.82 8.68,20.91 8.56,21.01 8.43,21.11 8.28,21.22 8.09,21.32 7.15,20.42 8.09,19.52 8.28,19.62 8.43,19.72 8.56,19.83 8.68,19.93 8.8,20.02 8.92,20.1 9.06,20.17 9.22,20.22 9.41,20.26 9.64,20.27
Board_2-Net-(U6-XTAL_IN) on Bottom: 26.29,55.57 26.38,55.61 26.46,55.63 26.53,55.63 26.6,55.62 26.66,55.59 26.72,55.55 26.86,55.45 26.93,55.41 27.02,55.37 27.46,55.85 26.95,56.26 26.86,56.2 26.78,56.15 26.71,56.1 26.46,55.92 26.38,55.86 26.29,55.81 26.19,55.74
Board_3-+1V1 on In2.Cu: 96.66,42.28 85.48,42.28 85.41,53.29 96.59,53.29
Board_3-+3V3 on In1.Cu: 141.82,-4.12 55.46,-4.12 55.46,77.16 141.82,77.16
Board_3-/RGB_PWR on In2.Cu: 140.32,-1.94 53.96,-1.94 53.96,79.34 140.32,79.34
Board_3-/S1 on Bottom: 114.68,14.35 114.69,14.14 114.71,13.96 114.75,13.81 114.8,13.68 114.85,13.56 114.89,13.44 114.94,13.32 114.98,13.19 115,13.03 115.01,12.84 116.84,12.6 116.2,14.09 116.01,14.07 115.83,14.04 115.65,14 115.47,13.97 115.31,13.95 115.17,13.96 115.05,13.99 114.96,14.06 114.9,14.18 114.88,14.35
Board_3-/S2 on Bottom: 99,15.19 98.88,14.88 98.74,14.64 98.57,14.48 98.38,14.37 98.17,14.29 97.93,14.24 97.4,14.17 97.11,14.11 96.8,14.02 96.77,12.4 98.42,12.51 98.51,12.83 98.59,13.11 98.66,13.34 98.72,13.56 98.85,13.98 98.92,14.21 99,14.47 99.09,14.78 99.19,15.14
Board_3-/S3 on Top: 84.82,17.37 84.87,17.15 84.88,16.97 84.85,16.81 84.8,16.67 84.72,16.54 84.63,16.42 84.53,16.29 84.42,16.15 84.32,15.99 84.23,15.8 85.18,14.92 86.03,15.91 85.91,16.1 85.79,16.25 85.68,16.38 85.57,16.5 85.47,16.6 85.37,16.72 85.27,16.85 85.18,17 85.09,17.19 85.01,17.43
Board_3-/S4 on Bottom: 115.04,33.92 115.04,33.64 115.04,33.41 115.03,33.21 115.03,33.03 115.02,32.54 115.01,32.35 115.01,32.14 115.01,31.89 116.7,31.45 116.67,33.07 116.46,33.13 116.25,33.17 116.05,33.2 115.86,33.24 115.69,33.28 115.54,33.33 115.42,33.42 115.32,33.54 115.26,33.7 115.24,33.92
Board_3-/S5 on Bottom: 95.72,34.09 95.73,33.79 95.74,33.53 95.77,33.31 95.8,33.12 95.84,32.94 95.87,32.77 95.91,32.58 95.93,32.38 95.95,32.15 95.96,31.88 97.61,31.4 97.71,33.02 97.45,33.12 97.2,33.18 96.95,33.22 96.71,33.26 96.5,33.31 96.3,33.37 96.15,33.47 96.02,33.62 95.95,33.82 95.92,34.09
Board_3-/S7 on Bottom: 115.87,48.48 116.06,48.7 116.21,48.89 116.35,49.06 116.46,49.2 116.68,49.47 116.79,49.61 116.91,49.76 117.05,49.93 117.22,50.13 116.28,51.56 115.12,50.44 115.23,50.21 115.37,50.01 115.52,49.83 115.66,49.66 115.78,49.5 115.87,49.34 115.92,49.18 115.92,49 115.86,48.81 115.71,48.61
Board_3-/S8 on Bottom: 94.72,50.84 95.02,50.82 95.26,50.77 95.46,50.7 95.63,50.6 95.78,50.49 95.92,50.36 96.07,50.22 96.23,50.08 96.43,49.95 96.67,49.81 97.84,50.94 96.67,52.06 96.43,51.93 96.23,51.79 96.07,51.65 95.92,51.52 95.78,51.39 95.63,51.28 95.46,51.18 95.26,51.1 95.02,51.06 94.72,51.04
Board_3-GND on Top, Bottom: 143.32,-5.85 56.96,-5.85 56.96,75.43 143.32,75.43
Board_3-Net-(C40-Pad2) on Bottom: 92.87,54.74 92.78,54.69 92.7,54.67 92.63,54.66 92.56,54.68 92.49,54.7 92.43,54.74 92.29,54.82 92.21,54.86 92.13,54.9 91.71,54.4 92.24,54.01 92.33,54.08 92.41,54.13 92.47,54.19 92.65,54.33 92.71,54.38 92.78,54.44 92.87,54.5 92.98,54.58
Board_3-Net-(C40-Pad2) on Bottom: 91.41,53.57 91.51,53.65 91.59,53.72 91.67,53.77 91.75,53.8 91.82,53.83 91.97,53.88 92.05,53.91 92.14,53.95 92.23,54.01 92.09,54.64 91.46,54.47 91.46,54.38 91.46,54.29 91.46,54.14 91.46,54.07 91.45,54 91.43,53.93 91.4,53.86 91.35,53.79 91.27,53.71
Board_3-Net-(J1-SHIELD) on Bottom: 92.14,11.11 92.14,11.22 92.15,11.32 92.17,11.4 92.19,11.47 92.22,11.53 92.25,11.59 92.33,11.72 92.37,11.79 92.41,11.88 91.96,12.35 91.51,11.88 91.56,11.79 91.6,11.72 91.68,11.59 91.71,11.53 91.74,11.47 91.76,11.4 91.78,11.32 91.79,11.22 91.79,11.11
Board_3-Net-(RN1A-R1.1) on Bottom: 72.64,15.57 72.41,15.58 72.22,15.61 72.06,15.67 71.92,15.74 71.8,15.82 71.68,15.91 71.56,16.01 71.43,16.11 71.28,16.22 71.09,16.32 70.15,15.42 71.09,14.52 71.28,14.62 71.43,14.72 71.56,14.83 71.68,14.93 71.8,15.02 71.92,15.1 72.06,15.17 72.22,15.22 72.41,15.26 72.64,15.27
Board_3-Net-(RN1C-R3.2) on Bottom: 72.64,20.57 72.41,20.58 72.22,20.61 72.06,20.67 71.92,20.74 71.8,20.82 71.68,20.91 71.56,21.01 71.43,21.11 71.28,21.22 71.09,21.32 70.15,20.42 71.09,19.52 71.28,19.62 71.43,19.72 71.56,19.83 71.68,19.93 71.8,20.02 71.92,20.1 72.06,20.17 72.22,20.22 72.41,20.26 72.64,20.27
Board_3-Net-(U6-XTAL_IN) on Bottom: 89.29,55.57 89.38,55.61 89.46,55.63 89.53,55.63 89.6,55.62 89.66,55.59 89.72,55.55 89.86,55.45 89.93,55.41 90.02,55.37 90.46,55.85 89.95,56.26 89.86,56.2 89.78,56.15 89.71,56.1 89.46,55.92 89.38,55.86 89.29,55.81 89.19,55.74

Small or netless copper shapes (teardrops, artwork), in the pictures only: 116 on Top, 1168 on Bottom, 128 on In1.Cu, 32 on In2.Cu

## Text on the board
B.Silkscreen: v5.0
User.Comments: V-CUT
F.Silkscreen: 0xCB 1337 Rev5.0
